# KiCad board mtr_led_system_map.kicad_pcb
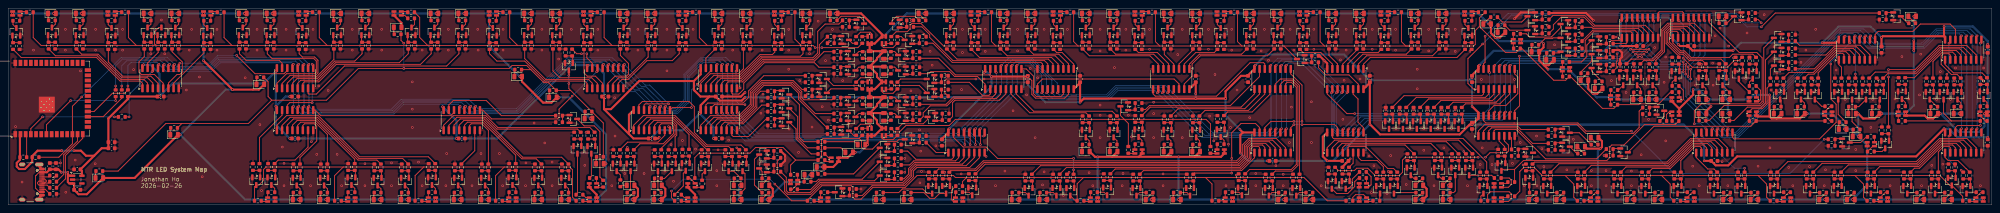
[diagram p0: board, top side]
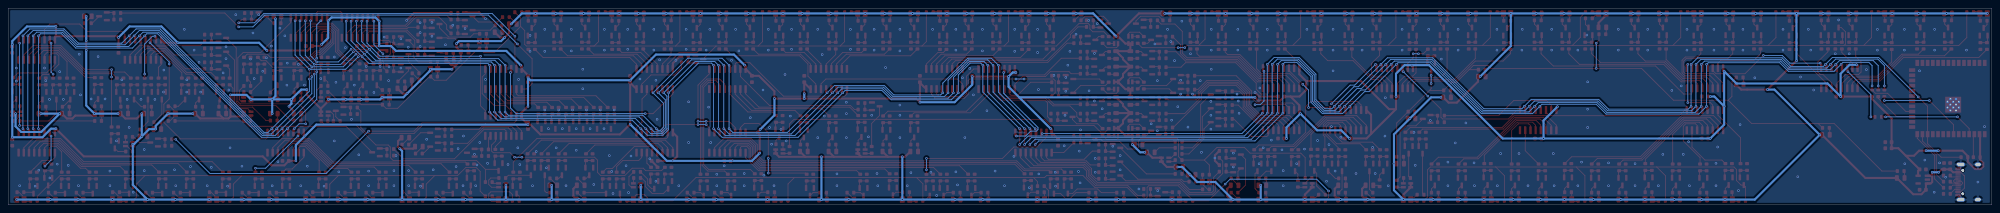
[diagram p1: board, bottom side, seen from below]

Outline 485.4 x 48.3 mm; copper layers: Top, Bottom. Coordinates in mm from the lower left corner of the outline.
Outline path: rectangle 0,48.3 485.4,0

## Placement (name value [footprint] x y rotation side)
C1  10uF  [C_0603_1608Metric]  11.7 9.5 90 top
C2  100nF  [C_0603_1608Metric]  10.2 9.5 90 top
C3  10uF  [C_0603_1608Metric]  25.3 13.9 0 top
C4  100nF  [C_0603_1608Metric]  25.3 15.4 0 top
C5  1uF  [C_0603_1608Metric]  16.9 3.7 0 top
C6  2.2uF  [C_0603_1608Metric]  16.9 8.7 180 top
C7  100nF  [C_0603_1608Metric]  37.3 26.6 0 top
C8  100nF  [C_0603_1608Metric]  70.2 26.6 0 top
C9  100nF  [C_0603_1608Metric]  146.1 26.6 0 top
C10  100nF  [C_0603_1608Metric]  173.9 26.6 0 top
C11  100nF  [C_0603_1608Metric]  173.9 16.3 0 top
C12  100nF  [C_0603_1608Metric]  157.5 16.3 0 top
C13  100nF  [C_0603_1608Metric]  111 16.3 0 top
C14  100nF  [C_0603_1608Metric]  70.2 16.3 0 top
C15  100nF  [C_0603_1608Metric]  484.4 15.3 270 top
C16  100nF  [C_0603_1608Metric]  358.2 30.9 270 top
C17  100nF  [C_0603_1608Metric]  417.5 10.8 0 top
C18  100nF  [C_0603_1608Metric]  327.2 10.8 0 top
C19  100nF  [C_0603_1608Metric]  309.4 10.8 0 top
C20  100nF  [C_0603_1608Metric]  228.5 15.3 270 top
C21  100nF  [C_0603_1608Metric]  411.8 39 0 top
C22  100nF  [C_0603_1608Metric]  399.3 39 0 top
C23  100nF  [C_0603_1608Metric]  333.2 30.9 90 top
C24  100nF  [C_0603_1608Metric]  290.6 30.9 90 top
C25  100nF  [C_0603_1608Metric]  262.3 30.9 90 top
C26  100nF  [C_0603_1608Metric]  249.5 30.9 270 top
C27  100nF  [C_0603_1608Metric]  303.4 30.9 270 top
C28  100nF  [C_0603_1608Metric]  484.4 38.1 270 top
C29  100nF  [C_0603_1608Metric]  458.4 38.1 270 top
C30  100nF  [C_0603_1608Metric]  358.2 19.4 270 top
D_DOOR_G1  GREEN  [LED_0805_2012Metric]  465.9 46.3 0 top
D_DOOR_Y1  YELLOW  [LED_0805_2012Metric]  419.5 46.3 0 top
D_ISL_ADM1  RED_YELLOW  [LED_Kingbright_APHBM2012_2x1.25mm]  167.2 1.3 270 top
D_ISL_ADM_CEN1  GREEN  [LED_0805_2012Metric]  159 1.3 0 top
D_ISL_ADM_WAC1  GREEN  [LED_0805_2012Metric]  178.5 1.3 0 top
D_ISL_CAB_TIH1  GREEN  [LED_0805_2012Metric]  246.5 1.3 0 top
D_ISL_CAB_WAC1  GREEN  [LED_0805_2012Metric]  220.1 1.3 0 top
D_ISL_CEN1  RED_YELLOW  [LED_Kingbright_APHBM2012_2x1.25mm]  143.1 1.3 270 top
D_ISL_CEN_ADM1  GREEN  [LED_0805_2012Metric]  152.3 1.3 0 top
D_ISL_CEN_SHW1  GREEN  [LED_0805_2012Metric]  136.3 1.3 0 top
D_ISL_CHW1  RED_YELLOW  [LED_Kingbright_APHBM2012_2x1.25mm]  482.4 1.3 270 top
D_ISL_CHW_HFC1  GREEN  [LED_0805_2012Metric]  474.7 1.3 0 top
D_ISL_CWB1  RED_YELLOW  [LED_Kingbright_APHBM2012_2x1.25mm]  232.7 1.3 270 top
D_ISL_FOH1  RED_YELLOW  [LED_Kingbright_APHBM2012_2x1.25mm]  298.7 1.3 270 top
D_ISL_FOH_NOP1  GREEN  [LED_0805_2012Metric]  311.7 1.3 0 top
D_ISL_FOH_TIH1  GREEN  [LED_0805_2012Metric]  286 1.3 0 top
D_ISL_HFC1  RED_YELLOW  [LED_Kingbright_APHBM2012_2x1.25mm]  459 1.3 270 top
D_ISL_HFC_CHW1  GREEN  [LED_0805_2012Metric]  467.9 1.3 0 top
D_ISL_HFC_SKW1  GREEN  [LED_0805_2012Metric]  450.9 1.3 0 top
D_ISL_HKU1  RED_YELLOW  [LED_Kingbright_APHBM2012_2x1.25mm]  84 1.3 270 top
D_ISL_HKU_KET1  GREEN  [LED_0805_2012Metric]  77.3 1.3 0 top
D_ISL_HKU_SYP1  GREEN  [LED_0805_2012Metric]  90.4 1.3 0 top
D_ISL_KET1  RED_YELLOW  [LED_Kingbright_APHBM2012_2x1.25mm]  64.4 1.3 270 top
D_ISL_KET_HKU1  GREEN  [LED_0805_2012Metric]  70.6 1.3 0 top
D_ISL_NOP1  RED_YELLOW  [LED_Kingbright_APHBM2012_2x1.25mm]  331.5 1.3 90 top
D_ISL_NOP_FOH1  GREEN  [LED_0805_2012Metric]  318.4 1.3 0 top
D_ISL_NOP_QUB1  GREEN  [LED_0805_2012Metric]  345.3 1.3 0 top
D_ISL_QUB1  RED_YELLOW  [LED_Kingbright_APHBM2012_2x1.25mm]  364.5 1.3 90 top
D_ISL_QUB_NOP1  GREEN  [LED_0805_2012Metric]  352 1.3 0 top
D_ISL_QUB_TAK1  GREEN  [LED_0805_2012Metric]  373.1 1.3 0 top
D_ISL_SHW1  RED_YELLOW  [LED_Kingbright_APHBM2012_2x1.25mm]  123.4 1.3 270 top
D_ISL_SHW_CEN1  GREEN  [LED_0805_2012Metric]  129.7 1.3 0 top
D_ISL_SHW_SYP1  GREEN  [LED_0805_2012Metric]  116.7 1.3 0 top
D_ISL_SKW1  RED_YELLOW  [LED_Kingbright_APHBM2012_2x1.25mm]  435.3 1.3 270 top
D_ISL_SKW_HFC1  GREEN  [LED_0805_2012Metric]  444.1 1.3 0 top
D_ISL_SKW_SWH1  GREEN  [LED_0805_2012Metric]  427.3 1.3 0 top
D_ISL_SWH1  RED_YELLOW  [LED_Kingbright_APHBM2012_2x1.25mm]  411.7 1.3 270 top
D_ISL_SWH_SKW1  GREEN  [LED_0805_2012Metric]  420.6 1.3 0 top
D_ISL_SWH_TAK1  GREEN  [LED_0805_2012Metric]  403.8 1.3 0 top
D_ISL_SYP1  RED_YELLOW  [LED_Kingbright_APHBM2012_2x1.25mm]  103.7 1.3 270 top
D_ISL_SYP_HKU1  GREEN  [LED_0805_2012Metric]  97.1 1.3 0 top
D_ISL_SYP_SHW1  GREEN  [LED_0805_2012Metric]  110 1.3 0 top
D_ISL_TAK1  RED_YELLOW  [LED_Kingbright_APHBM2012_2x1.25mm]  388.1 1.3 270 top
D_ISL_TAK_QUB1  GREEN  [LED_0805_2012Metric]  379.8 1.3 0 top
D_ISL_TAK_SWH1  GREEN  [LED_0805_2012Metric]  397 1.3 0 top
D_ISL_TIH1  RED_YELLOW  [LED_Kingbright_APHBM2012_2x1.25mm]  265.7 1.3 270 top
D_ISL_TIH_CAB1  GREEN  [LED_0805_2012Metric]  253.3 1.3 0 top
D_ISL_TIH_FOH1  GREEN  [LED_0805_2012Metric]  279.3 1.3 0 top
D_ISL_WAC1  RED_YELLOW  [LED_Kingbright_APHBM2012_2x1.25mm]  199.7 1.3 270 top
D_ISL_WAC_ADM1  GREEN  [LED_0805_2012Metric]  185.3 1.3 0 top
D_ISL_WAC_CAB1  GREEN  [LED_0805_2012Metric]  213.3 1.3 0 top
D_KTL_CHH1  RED_YELLOW  [LED_Kingbright_APHBM2012_2x1.25mm]  336.8 47 90 top
D_KTL_CHH_DIH1  GREEN  [LED_0805_2012Metric]  330.8 47 0 top
D_KTL_CHH_KOB1  GREEN  [LED_0805_2012Metric]  344.2 47 0 top
D_KTL_DIH1  RED_YELLOW  [LED_Kingbright_APHBM2012_2x1.25mm]  316.9 47 90 top
D_KTL_DIH_CHH1  GREEN  [LED_0805_2012Metric]  324 47 0 top
D_KTL_DIH_WTS1  GREEN  [LED_0805_2012Metric]  310.6 47 0 top
D_KTL_HOM1  RED_YELLOW  [LED_Kingbright_APHBM2012_2x1.25mm]  276.6 13.1 270 top
D_KTL_HOM_WHA1  GREEN  [LED_0805_2012Metric]  283.7 13.1 0 top
D_KTL_HOM_YMT1  GREEN  [LED_0805_2012Metric]  270.5 13.1 0 top
D_KTL_KOB1  RED_YELLOW  [LED_Kingbright_APHBM2012_2x1.25mm]  357.3 47 90 top
D_KTL_KOB_CHH1  GREEN  [LED_0805_2012Metric]  351 47 0 top
D_KTL_KOB_NTK1  GREEN  [LED_0805_2012Metric]  361.9 44.4 0 top
D_KTL_KOT1  RED_YELLOW  [LED_Kingbright_APHBM2012_2x1.25mm]  256.6 47 90 top
D_KTL_KOT_LOF1  GREEN  [LED_0805_2012Metric]  263.7 47 0 top
D_KTL_KOT_SKM1  GREEN  [LED_0805_2012Metric]  250.4 47 0 top
D_KTL_KWT1  RED_YELLOW  [LED_Kingbright_APHBM2012_2x1.25mm]  381.2 33.3 270 top
D_KTL_KWT_LAT1  GREEN  [LED_0805_2012Metric]  385.7 30.6 0 top
D_KTL_KWT_NTK1  GREEN  [LED_0805_2012Metric]  377.3 35.6 0 top
D_KTL_LAT1  RED_YELLOW  [LED_Kingbright_APHBM2012_2x1.25mm]  393 26.4 270 top
D_KTL_LAT_KWT1  GREEN  [LED_0805_2012Metric]  389.2 28.6 0 top
D_KTL_LAT_YAT1  GREEN  [LED_0805_2012Metric]  398.6 25.9 0 top
D_KTL_LOF1  RED_YELLOW  [LED_Kingbright_APHBM2012_2x1.25mm]  276.6 47 90 top
D_KTL_LOF_KOT1  GREEN  [LED_0805_2012Metric]  270.5 47 0 top
D_KTL_LOF_WTS1  GREEN  [LED_0805_2012Metric]  283.7 47 0 top
D_KTL_MOK1  RED_YELLOW  [LED_Kingbright_APHBM2012_2x1.25mm]  214.3 29.3 0 top
D_KTL_MOK_PRE1  GREEN  [LED_0805_2012Metric]  214.3 33 90 top
D_KTL_MOK_YMT1  GREEN  [LED_0805_2012Metric]  214.3 25.5 90 top
D_KTL_NTK1  RED_YELLOW  [LED_Kingbright_APHBM2012_2x1.25mm]  369.2 40.2 270 top
D_KTL_NTK_KOB1  GREEN  [LED_0805_2012Metric]  365.4 42.4 0 top
D_KTL_NTK_KWT1  GREEN  [LED_0805_2012Metric]  373.7 37.6 0 top
D_KTL_PRE1  RED_YELLOW  [LED_Kingbright_APHBM2012_2x1.25mm]  214.3 40.5 0 top
D_KTL_PRE_MOK1  GREEN  [LED_0805_2012Metric]  214.3 36.8 90 top
D_KTL_PRE_SKM1  GREEN  [LED_0805_2012Metric]  223.7 47 0 top
D_KTL_SKM1  RED_YELLOW  [LED_Kingbright_APHBM2012_2x1.25mm]  236.5 47 90 top
D_KTL_SKM_KOT1  GREEN  [LED_0805_2012Metric]  243.6 47 0 top
D_KTL_SKM_PRE1  GREEN  [LED_0805_2012Metric]  230.5 47 0 top
D_KTL_TIK1  RED_YELLOW  [LED_Kingbright_APHBM2012_2x1.25mm]  426.9 25.9 90 top
D_KTL_TIK_YAT1  GREEN  [LED_0805_2012Metric]  420.4 25.9 0 top
D_KTL_WHA1  RED_YELLOW  [LED_Kingbright_APHBM2012_2x1.25mm]  296.7 13.1 270 top
D_KTL_WHA_HOM1  GREEN  [LED_0805_2012Metric]  290.7 13.1 0 top
D_KTL_WTS1  RED_YELLOW  [LED_Kingbright_APHBM2012_2x1.25mm]  296.7 47 90 top
D_KTL_WTS_DIH1  GREEN  [LED_0805_2012Metric]  303.9 47 0 top
D_KTL_WTS_LOF1  GREEN  [LED_0805_2012Metric]  290.7 47 0 top
D_KTL_YAT1  RED_YELLOW  [LED_Kingbright_APHBM2012_2x1.25mm]  408 25.9 90 top
D_KTL_YAT_LAT1  GREEN  [LED_0805_2012Metric]  402.4 25.9 0 top
D_KTL_YAT_TIK1  GREEN  [LED_0805_2012Metric]  414.6 25.9 0 top
D_KTL_YMT1  RED_YELLOW  [LED_Kingbright_APHBM2012_2x1.25mm]  214.3 17.9 0 top
D_KTL_YMT_HOM1  GREEN  [LED_0805_2012Metric]  263.7 13.1 0 top
D_KTL_YMT_MOK1  GREEN  [LED_0805_2012Metric]  214.3 21.6 90 top
D_TCL_HOK1  YELLOW  [LED_0805_2012Metric]  144.8 10.1 0 top
D_TCL_KOW1  YELLOW  [LED_0805_2012Metric]  142 21.2 0 top
D_TCL_LAK1  YELLOW  [LED_0805_2012Metric]  95.3 43.6 0 top
D_TCL_NAC1  YELLOW  [LED_0805_2012Metric]  124.8 31.5 0 top
D_TCL_OLY1  YELLOW  [LED_0805_2012Metric]  133.3 26.4 0 top
D_TCL_SUN1  YELLOW  [LED_0805_2012Metric]  40.6 17.2 0 top
D_TCL_TSY1  YELLOW  [LED_0805_2012Metric]  61.7 29.6 0 top
D_TCL_TUC1  YELLOW  [LED_0805_2012Metric]  22.3 6.6 0 top
D_TKL_HAH1  RED_YELLOW  [LED_Kingbright_APHBM2012_2x1.25mm]  463.4 22.4 270 top
D_TKL_HAH_POA1  GREEN  [LED_0805_2012Metric]  471.3 22.4 0 top
D_TKL_HAH_TKO1  GREEN  [LED_0805_2012Metric]  457 22.4 0 top
D_TKL_LHP1  RED_YELLOW  [LED_Kingbright_APHBM2012_2x1.25mm]  455.8 14.9 90 top
D_TKL_LHP_TKO1  GREEN  [LED_0805_2012Metric]  452.3 16.8 0 top
D_TKL_NOP1  RED_YELLOW  [LED_Kingbright_APHBM2012_2x1.25mm]  331.5 4.8 90 top
D_TKL_NOP_QUB1  GREEN  [LED_0805_2012Metric]  345.3 4.8 0 top
D_TKL_POA1  RED_YELLOW  [LED_Kingbright_APHBM2012_2x1.25mm]  483.4 22.4 270 top
D_TKL_POA_HAH1  GREEN  [LED_0805_2012Metric]  477 22.4 0 top
D_TKL_QUB1  RED_YELLOW  [LED_Kingbright_APHBM2012_2x1.25mm]  364.5 4.8 90 top
D_TKL_QUB_NOP1  GREEN  [LED_0805_2012Metric]  352 4.8 0 top
D_TKL_QUB_YAT1  GREEN  [LED_0805_2012Metric]  384.9 14.3 0 top
D_TKL_TIK1  RED_YELLOW  [LED_Kingbright_APHBM2012_2x1.25mm]  426.9 22.4 270 top
D_TKL_TIK_TKO1  GREEN  [LED_0805_2012Metric]  433 22.4 0 top
D_TKL_TIK_YAT1  GREEN  [LED_0805_2012Metric]  420.4 22.4 0 top
D_TKL_TKO1  RED_YELLOW  [LED_Kingbright_APHBM2012_2x1.25mm]  445.4 22.4 270 top
D_TKL_TKO_HAH1  GREEN  [LED_0805_2012Metric]  451.2 22.4 0 top
D_TKL_TKO_LHP1  GREEN  [LED_0805_2012Metric]  448.9 18.6 0 top
D_TKL_TKO_TIK1  GREEN  [LED_0805_2012Metric]  438.7 22.4 0 top
D_TKL_YAT1  RED_YELLOW  [LED_Kingbright_APHBM2012_2x1.25mm]  408 22.4 270 top
D_TKL_YAT_QUB1  GREEN  [LED_0805_2012Metric]  388.2 16.5 0 top
D_TKL_YAT_TIK1  GREEN  [LED_0805_2012Metric]  414.6 22.4 0 top
D_TWL_ADM1  RED_YELLOW  [LED_Kingbright_APHBM2012_2x1.25mm]  167.2 4.8 90 top
D_TWL_ADM_CEN1  GREEN  [LED_0805_2012Metric]  159 4.8 0 top
D_TWL_ADM_TST1  GREEN  [LED_0805_2012Metric]  178.5 4.8 0 top
D_TWL_CEN1  RED_YELLOW  [LED_Kingbright_APHBM2012_2x1.25mm]  143.1 4.8 90 top
D_TWL_CEN_ADM1  GREEN  [LED_0805_2012Metric]  152.3 4.8 0 top
D_TWL_CSW1  RED_YELLOW  [LED_Kingbright_APHBM2012_2x1.25mm]  165 47 90 top
D_TWL_CSW_LCK1  GREEN  [LED_0805_2012Metric]  157.4 47 0 top
D_TWL_CSW_SSP1  GREEN  [LED_0805_2012Metric]  173.8 47 0 top
D_TWL_JOR1  RED_YELLOW  [LED_Kingbright_APHBM2012_2x1.25mm]  202.3 11.1 270 top
D_TWL_JOR_TST1  GREEN  [LED_0805_2012Metric]  198.8 9.3 0 top
D_TWL_JOR_YMT1  GREEN  [LED_0805_2012Metric]  205.8 12.9 0 top
D_TWL_KWF1  RED_YELLOW  [LED_Kingbright_APHBM2012_2x1.25mm]  72 47 90 top
D_TWL_KWF_KWH1  GREEN  [LED_0805_2012Metric]  64.2 47 0 top
D_TWL_KWF_LAK1  GREEN  [LED_0805_2012Metric]  80.5 47 0 top
D_TWL_KWH1  RED_YELLOW  [LED_Kingbright_APHBM2012_2x1.25mm]  48.7 47 90 top
D_TWL_KWH_KWF1  GREEN  [LED_0805_2012Metric]  57.4 47 0 top
D_TWL_KWH_TWH1  GREEN  [LED_0805_2012Metric]  40.9 47 0 top
D_TWL_LAK1  RED_YELLOW  [LED_Kingbright_APHBM2012_2x1.25mm]  95.3 47 90 top
D_TWL_LAK_KWF1  GREEN  [LED_0805_2012Metric]  87.4 47 0 top
D_TWL_LAK_MEF1  GREEN  [LED_0805_2012Metric]  104.3 47 0 top
D_TWL_LCK1  RED_YELLOW  [LED_Kingbright_APHBM2012_2x1.25mm]  141.7 47 90 top
D_TWL_LCK_CSW1  GREEN  [LED_0805_2012Metric]  150.6 47 0 top
D_TWL_LCK_MEF1  GREEN  [LED_0805_2012Metric]  134.1 47 0 top
D_TWL_MEF1  RED_YELLOW  [LED_Kingbright_APHBM2012_2x1.25mm]  118.6 47 90 top
D_TWL_MEF_LAK1  GREEN  [LED_0805_2012Metric]  111.1 47 0 top
D_TWL_MEF_LCK1  GREEN  [LED_0805_2012Metric]  127.2 47 0 top
D_TWL_MOK1  RED_YELLOW  [LED_Kingbright_APHBM2012_2x1.25mm]  210.8 29.3 180 top
D_TWL_MOK_PRE1  GREEN  [LED_0805_2012Metric]  210.8 33 90 top
D_TWL_MOK_YMT1  GREEN  [LED_0805_2012Metric]  210.8 25.5 90 top
D_TWL_PRE1  RED_YELLOW  [LED_Kingbright_APHBM2012_2x1.25mm]  210.8 40.5 180 top
D_TWL_PRE_MOK1  GREEN  [LED_0805_2012Metric]  210.8 36.8 90 top
D_TWL_PRE_SSP1  GREEN  [LED_0805_2012Metric]  202 47 0 top
D_TWL_SSP1  RED_YELLOW  [LED_Kingbright_APHBM2012_2x1.25mm]  188.4 47 90 top
D_TWL_SSP_CSW1  GREEN  [LED_0805_2012Metric]  180.7 47 0 top
D_TWL_SSP_PRE1  GREEN  [LED_0805_2012Metric]  195.3 47 0 top
D_TWL_TST1  RED_YELLOW  [LED_Kingbright_APHBM2012_2x1.25mm]  192.3 5.6 90 top
D_TWL_TST_ADM1  GREEN  [LED_0805_2012Metric]  185.3 4.8 0 top
D_TWL_TST_JOR1  GREEN  [LED_0805_2012Metric]  195.8 7.4 0 top
D_TWL_TSW1  RED_YELLOW  [LED_Kingbright_APHBM2012_2x1.25mm]  2 47 90 top
D_TWL_TSW_TWH1  GREEN  [LED_0805_2012Metric]  10.7 47 0 top
D_TWL_TWH1  RED_YELLOW  [LED_Kingbright_APHBM2012_2x1.25mm]  25.3 47 90 top
D_TWL_TWH_KWH1  GREEN  [LED_0805_2012Metric]  34.1 47 0 top
D_TWL_TWH_TSW1  GREEN  [LED_0805_2012Metric]  17.5 47 0 top
D_TWL_YMT1  RED_YELLOW  [LED_Kingbright_APHBM2012_2x1.25mm]  210.8 17.9 180 top
D_TWL_YMT_JOR1  GREEN  [LED_0805_2012Metric]  208.8 14.8 0 top
D_TWL_YMT_MOK1  GREEN  [LED_0805_2012Metric]  210.8 21.6 90 top
J1  USB_C_Receptacle_USB2.0_16P  [USB_C_Receptacle_HCTL_HC-TYPE-C-16P-01A]  4.5 5.6 270 top
Q1  AO3400A  [SOT-23]  40.9 42.6 90 top
Q2  AO3400A  [SOT-23]  48.7 42.5 90 top
Q3  AO3400A  [SOT-23]  17.5 42.6 90 top
Q4  AO3400A  [SOT-23]  25.3 42.5 90 top
Q5  AO3400A  [SOT-23]  34.1 42.6 90 top
Q6  AO3400A  [SOT-23]  10.7 42.6 90 top
Q7  AO3400A  [SOT-23]  2 42.5 90 top
Q8  AO3400A  [SOT-23]  37.5 42.6 90 top
Q9  AO3400A  [SOT-23]  104.3 42.6 90 top
Q10  AO3400A  [SOT-23]  111.1 42.6 90 top
Q11  AO3400A  [SOT-23]  80.5 42.6 90 top
Q12  AO3400A  [SOT-23]  87.4 42.6 90 top
Q13  AO3400A  [SOT-23]  98.7 42.6 90 top
Q14  AO3400A  [SOT-23]  72 42.5 90 top
Q15  AO3400A  [SOT-23]  64.2 42.6 90 top
Q16  AO3400A  [SOT-23]  57.4 42.6 90 top
Q17  AO3400A  [SOT-23]  157.4 42.6 90 top
Q18  AO3400A  [SOT-23]  165 42.5 90 top
Q19  AO3400A  [SOT-23]  134.1 42.6 90 top
Q20  AO3400A  [SOT-23]  141.7 42.5 90 top
Q21  AO3400A  [SOT-23]  150.6 42.6 90 top
Q22  AO3400A  [SOT-23]  127.2 42.6 90 top
Q23  AO3400A  [SOT-23]  118.6 42.5 90 top
Q24  AO3400A  [SOT-23]  137.2 33.9 270 top
Q25  AO3400A  [SOT-23]  206.4 36.8 0 top
Q26  AO3400A  [SOT-23]  206.4 33 0 top
Q27  AO3400A  [SOT-23]  195.3 42.6 90 top
Q28  AO3400A  [SOT-23]  208.5 44.5 0 top
Q29  AO3400A  [SOT-23]  204.8 40.5 0 top
Q30  AO3400A  [SOT-23]  188.4 42.5 90 top
Q31  AO3400A  [SOT-23]  180.7 42.6 90 top
Q32  AO3400A  [SOT-23]  173.8 42.6 90 top
Q33  AO3400A  [SOT-23]  190.2 23.7 0 top
Q34  AO3400A  [SOT-23]  190.2 20.3 0 top
Q35  AO3400A  [SOT-23]  206.4 21.6 0 top
Q36  AO3400A  [SOT-23]  204.8 18.2 0 top
Q37  AO3400A  [SOT-23]  190.2 27.1 0 top
Q38  AO3400A  [SOT-23]  206.4 25.5 0 top
Q39  AO3400A  [SOT-23]  199.4 27.5 0 top
Q40  AO3400A  [SOT-23]  199.4 30.9 0 top
Q41  AO3400A  [SOT-23]  152.3 9.2 270 top
Q42  AO3400A  [SOT-23]  148.9 9.2 270 top
Q43  AO3400A  [SOT-23]  165.8 9.3 270 top
Q44  AO3400A  [SOT-23]  162.4 9.2 270 top
Q45  AO3400A  [SOT-23]  159 9.2 270 top
Q46  AO3400A  [SOT-23]  170.5 9.2 270 top
Q47  AO3400A  [SOT-23]  176.3 9.2 270 top
Q48  AO3400A  [SOT-23]  179.7 9.2 270 top
Q49  AO3400A  [SOT-23]  116.7 5.7 270 top
Q50  AO3400A  [SOT-23]  110.1 5.7 270 top
Q51  AO3400A  [SOT-23]  136.3 5.7 270 top
Q52  AO3400A  [SOT-23]  129.7 5.7 270 top
Q53  AO3400A  [SOT-23]  123.4 5.8 270 top
Q54  AO3400A  [SOT-23]  139.3 13.5 270 top
Q55  AO3400A  [SOT-23]  142.7 13.5 270 top
Q56  AO3400A  [SOT-23]  138.3 21.1 0 top
Q57  AO3400A  [SOT-23]  70.6 5.7 270 top
Q58  AO3400A  [SOT-23]  64.4 5.8 270 top
Q59  AO3400A  [SOT-23]  90.4 5.7 270 top
Q60  AO3400A  [SOT-23]  84 5.8 270 top
Q61  AO3400A  [SOT-23]  77.3 5.7 270 top
Q62  AO3400A  [SOT-23]  97.1 5.7 270 top
Q63  AO3400A  [SOT-23]  103.7 5.8 270 top
Q64  AO3400A  [SOT-23]  60.7 5.8 270 top
Q65  AO3400A  [SOT-23]  440.9 3.7 270 top
Q66  AO3400A  [SOT-23]  432.1 3.7 270 top
Q67  AO3400A  [SOT-23]  464.7 3.7 270 top
Q68  AO3400A  [SOT-23]  455.8 3.7 270 top
Q69  AO3400A  [SOT-23]  447.7 3.7 270 top
Q70  AO3400A  [SOT-23]  471.5 3.7 270 top
Q71  AO3400A  [SOT-23]  479.2 3.7 270 top
Q72  AO3400A  [SOT-23]  475.6 5.7 270 top
Q73  AO3400A  [SOT-23]  351.5 19.6 270 top
Q74  AO3400A  [SOT-23]  354.9 19.6 270 top
Q75  AO3400A  [SOT-23]  341.3 19.6 270 top
Q76  AO3400A  [SOT-23]  344.7 19.6 270 top
Q77  AO3400A  [SOT-23]  348.1 19.6 270 top
Q78  AO3400A  [SOT-23]  337.9 19.6 270 top
Q79  AO3400A  [SOT-23]  462.2 46.3 0 top
Q80  AO3400A  [SOT-23]  423.2 46.3 180 top
Q81  AO3400A  [SOT-23]  376.6 3.7 270 top
Q82  AO3400A  [SOT-23]  372.2 5.7 270 top
Q83  AO3400A  [SOT-23]  400.6 3.7 270 top
Q84  AO3400A  [SOT-23]  393.8 3.7 270 top
Q85  AO3400A  [SOT-23]  384.9 3.7 270 top
Q86  AO3400A  [SOT-23]  408.5 3.7 270 top
Q87  AO3400A  [SOT-23]  417.4 3.7 270 top
Q88  AO3400A  [SOT-23]  424.1 3.7 270 top
Q89  AO3400A  [SOT-23]  327.3 4.9 270 top
Q90  AO3400A  [SOT-23]  335.7 3.7 270 top
Q91  AO3400A  [SOT-23]  349.9 8.2 270 top
Q92  AO3400A  [SOT-23]  343.2 8.2 270 top
Q93  AO3400A  [SOT-23]  339.1 3.7 270 top
Q94  AO3400A  [SOT-23]  354.1 8.2 270 top
Q95  AO3400A  [SOT-23]  357.5 8.2 270 top
Q96  AO3400A  [SOT-23]  361 3.7 270 top
Q97  AO3400A  [SOT-23]  229.5 3.7 270 top
Q98  AO3400A  [SOT-23]  226.1 3.7 270 top
Q99  AO3400A  [SOT-23]  256.5 3.2 270 top
Q100  AO3400A  [SOT-23]  249.7 3.2 270 top
Q101  AO3400A  [SOT-23]  235.9 3.3 270 top
Q102  AO3400A  [SOT-23]  268.9 3.3 270 top
Q103  AO3400A  [SOT-23]  276.1 3.2 270 top
Q104  AO3400A  [SOT-23]  289.2 3.2 270 top
Q105  AO3400A  [SOT-23]  184.7 12.35 180 top
Q106  AO3400A  [SOT-23]  203.2 3.1 180 top
Q107  AO3400A  [SOT-23]  214.2 10.6 180 top
Q108  AO3400A  [SOT-23]  214.2 7.2 180 top
Q109  AO3400A  [SOT-23]  184.7 8.95 180 top
Q110  AO3400A  [SOT-23]  214.2 14 180 top
Q111  AO3400A  [SOT-23]  220.3 16.1 180 top
Q112  AO3400A  [SOT-23]  259.9 3.2 270 top
Q113  AO3400A  [SOT-23]  398.6 30.3 270 top
Q114  AO3400A  [SOT-23]  395.2 30.3 270 top
Q115  AO3400A  [SOT-23]  414.6 30.3 270 top
Q116  AO3400A  [SOT-23]  408 31.9 270 top
Q117  AO3400A  [SOT-23]  402.4 30.3 270 top
Q118  AO3400A  [SOT-23]  419.5 30.3 270 top
Q119  AO3400A  [SOT-23]  426.9 31.9 270 top
Q120  AO3400A  [SOT-23]  423.5 31.9 270 top
Q121  AO3400A  [SOT-23]  372.7 42.9 180 top
Q122  AO3400A  [SOT-23]  372.7 46.3 180 top
Q123  AO3400A  [SOT-23]  380.8 37.6 180 top
Q124  AO3400A  [SOT-23]  380.8 41 180 top
Q125  AO3400A  [SOT-23]  380.8 44.4 180 top
Q126  AO3400A  [SOT-23]  388.4 40.4 180 top
Q127  AO3400A  [SOT-23]  388.4 37 180 top
Q128  AO3400A  [SOT-23]  388.4 33.6 180 top
Q129  AO3400A  [SOT-23]  324 42.6 90 top
Q130  AO3400A  [SOT-23]  316.9 42.5 90 top
Q131  AO3400A  [SOT-23]  344.2 42.6 90 top
Q132  AO3400A  [SOT-23]  336.8 42.5 90 top
Q133  AO3400A  [SOT-23]  330.8 42.6 90 top
Q134  AO3400A  [SOT-23]  351 42.6 90 top
Q135  AO3400A  [SOT-23]  357.3 42.5 90 top
Q136  AO3400A  [SOT-23]  316.3 35.8 180 top
Q137  AO3400A  [SOT-23]  270.5 42.6 90 top
Q138  AO3400A  [SOT-23]  263.7 42.6 90 top
Q139  AO3400A  [SOT-23]  290.7 42.6 90 top
Q140  AO3400A  [SOT-23]  283.7 42.6 90 top
Q141  AO3400A  [SOT-23]  276.6 42.5 90 top
Q142  AO3400A  [SOT-23]  296.7 42.5 90 top
Q143  AO3400A  [SOT-23]  303.9 42.6 90 top
Q144  AO3400A  [SOT-23]  310.6 42.6 90 top
Q145  AO3400A  [SOT-23]  217.2 44.5 180 top
Q146  AO3400A  [SOT-23]  220.3 40.5 180 top
Q147  AO3400A  [SOT-23]  243.6 42.6 90 top
Q148  AO3400A  [SOT-23]  236.5 42.5 90 top
Q149  AO3400A  [SOT-23]  230.5 42.6 90 top
Q150  AO3400A  [SOT-23]  250.4 42.6 90 top
Q151  AO3400A  [SOT-23]  256.6 42.5 90 top
Q152  AO3400A  [SOT-23]  225.7 27.5 180 top
Q153  AO3400A  [SOT-23]  263.7 17.5 270 top
Q154  AO3400A  [SOT-23]  270.5 17.5 270 top
Q155  AO3400A  [SOT-23]  218.7 25.5 180 top
Q156  AO3400A  [SOT-23]  218.7 21.6 180 top
Q157  AO3400A  [SOT-23]  225.9 21.6 180 top
Q158  AO3400A  [SOT-23]  225.7 30.9 180 top
Q159  AO3400A  [SOT-23]  218.7 33 180 top
Q160  AO3400A  [SOT-23]  218.7 36.8 180 top
Q161  AO3400A  [SOT-23]  308.5 3.2 270 top
Q162  AO3400A  [SOT-23]  301.9 3.3 270 top
Q163  AO3400A  [SOT-23]  290.7 17.5 270 top
Q164  AO3400A  [SOT-23]  296.7 17.6 270 top
Q165  AO3400A  [SOT-23]  315.2 3.2 270 top
Q166  AO3400A  [SOT-23]  283.7 17.5 270 top
Q167  AO3400A  [SOT-23]  276.6 17.6 270 top
Q168  AO3400A  [SOT-23]  273.1 24.2 180 top
Q169  AO3400A  [SOT-23]  454.6 26.8 270 top
Q170  AO3400A  [SOT-23]  459.3 14.8 270 top
Q171  AO3400A  [SOT-23]  470.2 26.8 270 top
Q172  AO3400A  [SOT-23]  463.4 26.9 270 top
Q173  AO3400A  [SOT-23]  458 26.8 270 top
Q174  AO3400A  [SOT-23]  477 26.8 270 top
Q175  AO3400A  [SOT-23]  483.4 26.9 270 top
Q176  AO3400A  [SOT-23]  473.6 26.8 270 top
Q177  AO3400A  [SOT-23]  433 37.6 180 top
Q178  AO3400A  [SOT-23]  433 41 180 top
Q179  AO3400A  [SOT-23]  438.7 26.8 270 top
Q180  AO3400A  [SOT-23]  433.6 26.8 270 top
Q181  AO3400A  [SOT-23]  433 34.2 180 top
Q182  AO3400A  [SOT-23]  442.1 26.8 270 top
Q183  AO3400A  [SOT-23]  447.8 26.8 270 top
Q184  AO3400A  [SOT-23]  451.2 26.8 270 top
Q185  AO3400A  [SOT-23]  323.9 4.9 270 top
Q186  AO3400A  [SOT-23]  372.2 12.8 0 top
Q187  AO3400A  [SOT-23]  381.2 14.3 0 top
Q188  AO3400A  [SOT-23]  395.4 12.9 0 top
Q189  AO3400A  [SOT-23]  365.4 9.3 270 top
Q190  AO3400A  [SOT-23]  381.2 17.7 0 top
Q191  AO3400A  [SOT-23]  404.3 23.1 0 top
Q192  AO3400A  [SOT-23]  449.7 15.3 0 top
R1  220R  [R_0603_1608Metric]  2 45.2 0 top
R2  220R  [R_0603_1608Metric]  25.3 45.2 0 top
R3  220R  [R_0603_1608Metric]  48.7 45.2 0 top
R4  220R  [R_0603_1608Metric]  256.6 45.2 0 top
R5  220R  [R_0603_1608Metric]  236.5 45.2 0 top
R6  220R  [R_0603_1608Metric]  217.6 40.5 270 top
R7  220R  [R_0603_1608Metric]  411.7 3.1 0 top
R8  220R  [R_0603_1608Metric]  388.1 3.1 0 top
R9  220R  [R_0603_1608Metric]  5.3 47.3 180 top
R10  220R  [R_0603_1608Metric]  10.7 45.3 180 top
R11  220R  [R_0603_1608Metric]  17.5 45.3 180 top
R12  220R  [R_0603_1608Metric]  28.6 47.3 180 top
R13  220R  [R_0603_1608Metric]  34.1 45.3 180 top
R14  220R  [R_0603_1608Metric]  40.9 45.3 180 top
R15  220R  [R_0603_1608Metric]  52 47.3 180 top
R16  220R  [R_0603_1608Metric]  259.9 47.3 180 top
R17  220R  [R_0603_1608Metric]  250.4 45.3 180 top
R18  220R  [R_0603_1608Metric]  243.6 45.3 180 top
R19  220R  [R_0603_1608Metric]  239.8 47.3 180 top
R20  220R  [R_0603_1608Metric]  230.5 45.3 180 top
R21  220R  [R_0603_1608Metric]  223.7 45.3 0 top
R22  220R  [R_0603_1608Metric]  216.1 40.5 270 top
R23  220R  [R_0603_1608Metric]  427.3 3 0 top
R24  220R  [R_0603_1608Metric]  420.6 3 0 top
R25  220R  [R_0603_1608Metric]  408.4 1 0 top
R26  220R  [R_0603_1608Metric]  403.8 3 0 top
R27  220R  [R_0603_1608Metric]  397 3 0 top
R28  220R  [R_0603_1608Metric]  384.8 1 0 top
R29  220R  [R_0603_1608Metric]  379.8 3 0 top
R30  220R  [R_0603_1608Metric]  373.1 3 0 top
R31  220R  [R_0603_1608Metric]  72 45.2 0 top
R32  220R  [R_0603_1608Metric]  98.6 45.8 180 top
R33  220R  [R_0603_1608Metric]  296.7 45.2 0 top
R34  220R  [R_0603_1608Metric]  276.6 45.2 0 top
R35  220R  [R_0603_1608Metric]  445.4 24.2 0 top
R36  220R  [R_0603_1608Metric]  431.2 30.3 270 top
R37  220R  [R_0603_1608Metric]  57.4 45.3 180 top
R38  220R  [R_0603_1608Metric]  64.2 45.3 180 top
R39  220R  [R_0603_1608Metric]  75.3 47.3 180 top
R40  220R  [R_0603_1608Metric]  80.5 45.3 180 top
R41  220R  [R_0603_1608Metric]  87.4 45.3 180 top
R42  220R  [R_0603_1608Metric]  98.6 47.3 180 top
R43  220R  [R_0603_1608Metric]  104.3 45.3 180 top
R44  220R  [R_0603_1608Metric]  111.1 45.3 180 top
R45  220R  [R_0603_1608Metric]  310.6 45.3 180 top
R46  220R  [R_0603_1608Metric]  303.9 45.3 180 top
R47  220R  [R_0603_1608Metric]  300 47.3 180 top